# Altium PCB ZoM-Model-A.PcbDoc (part 2 of 3)
Units mm, origin at the board's own origin, x right, y up, seen from the top; angles counter-clockwise.
Board outline 75 x 40 mm, 6 copper layers (L 01, L 02 Gnd, L 03 1.8V 3.3V, L 04 1.0V SIG, L 05 Gnd, L 06), stack 1.207 mm thick; 145 components, 295 nets, 917 pads, 329 vias.
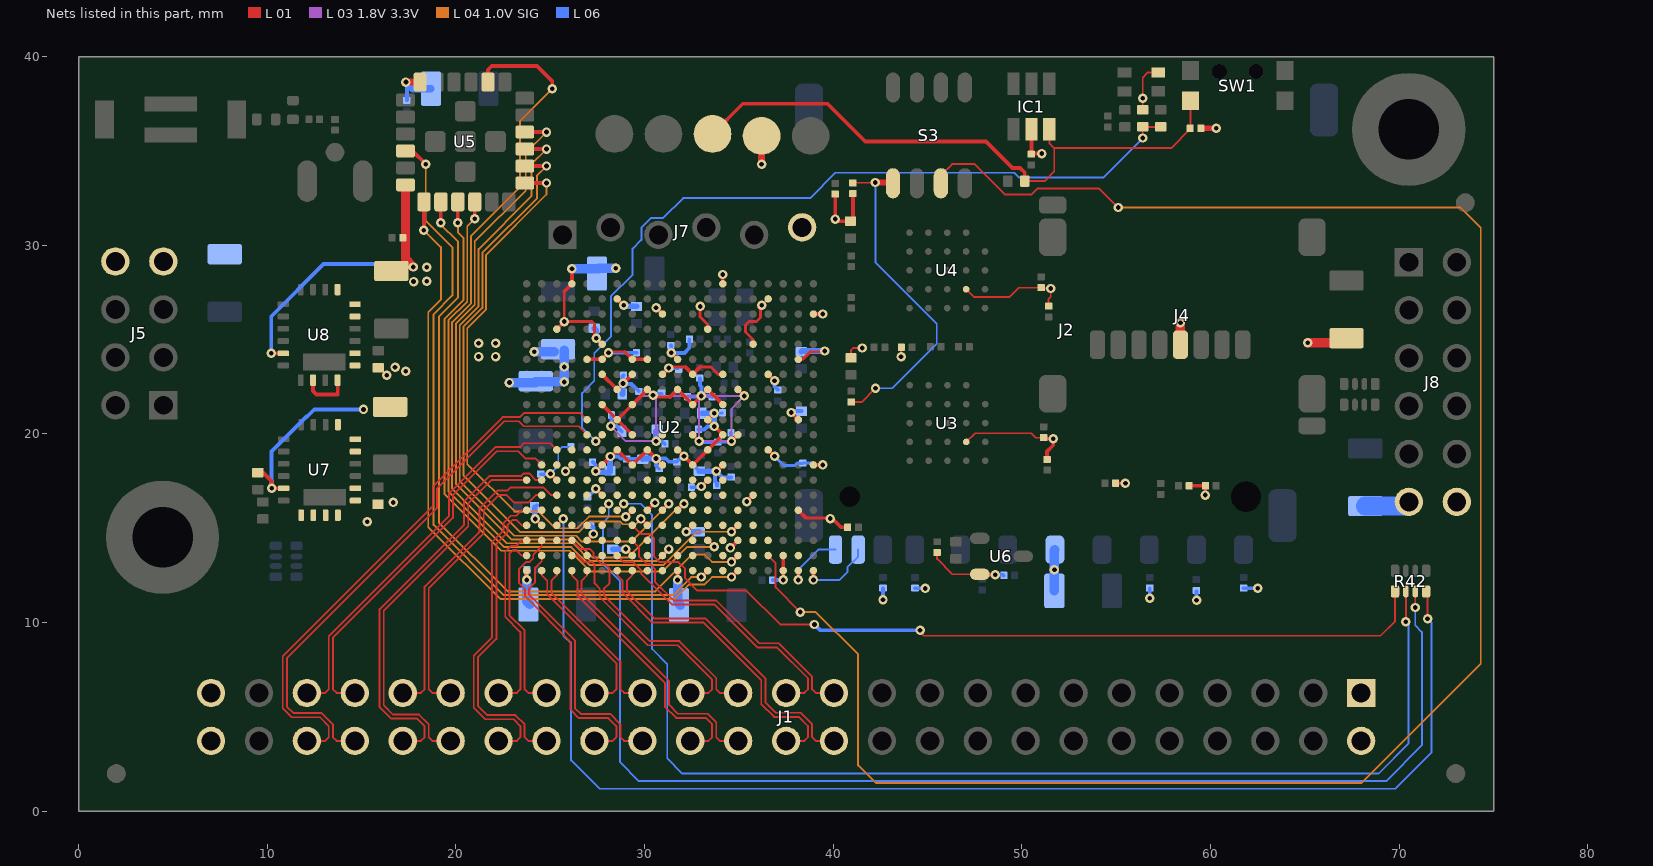
[diagram p6: the nets of this part, all layers, seen from the top]

## Part data
C1 C3 C4 C6 C7 C8 C12 C13 C14 C15 C18 C19 C20 C22 C23 C31 C32 C33 C34 C35 C36 C37 C38 C39 C40 C41 C43 C44 C45 C46 C47 C48 C50 C62 C64 C65: library part 24921, "KON 470nF X5R 6.3V SMD"
C2 C5 C10 C11 C17 C24 C26 C49 C51 C52 C53 C54 C55 C56 C57 C58 C63: library part 24719, "KON 4.7µF 6.3V X5R SMD"
C9 C16 C21 C25 C27 C28 C29 C30 C42: library part 24557, "KON 47µF 6.3V  X5R SMD 20%"
C59 C60 C61: library part 23116, "KON 100µF 6,3V X5R SMD"
D1: library part 24212, "LED Rot SML-P11UTT86 SMD"
D3: library part 24211, "LED Grun SML-P11MTT86 SMD"
H1 H4: library part 22898
IC1: library part ATtiny10, "ATtiny10"
J1: library part 20131, "Stiftleiste Wanne 50polig"
J2: library part 24818, "MCC SD Socket"
J3: library part 25605, "Hirose Ultra Small Coaxial Connector"
J4: library part 24993, "microSD Card (Header Type) SCHD Series"
J5: library part 23904, "Stiftleiste gerade 2-reihig, 8pol."
J7: library part 22911
J8: library part 25215
L1 L4: library part 25393, "Ferritdurchfuhrung SMD 0201"
L2 L3: "Ferrite Inductor"
PM1 PM2 PM3 PM4 PM5 PM6: library part 22905, "FIDU-DOT - SMALL"
R1 R4 R8 R26 R27: library part 25021, "WID SMD 33R 1% 0,05W"
R2 R5 R6 R9 R10 R11 R12 R13 R16 R17 R18 R19 R20 R21 R22 R28 R29 R30 R39 R40: library part 24914, "WID SMD 10K 1% 0,05W"
R3 R7 R24 R25 R31: library part 22769, "WID SMD 470R 1% 0,063W"
R14 R15: library part 25021, "WID SMD 0"
R23 R37 R38: library part 25242, "WID SMD 4K7 1% 0,05W"
R32: library part 23846, "WID SMD 200K 1% 0,063W"
R33: library part 26224, "WID SMD 301K 1% 0,063W"
R34 R35 R42: library part 23422, "WID SMD Netz 4 fach 33R"
R36: library part 22761, "WID SMD 680R 1% 0,063W"
R41: library part 22738, "WID SMD 0R"
S3: library part 23417, "DIP Schalter 4 fach 1,27mm SMD"
SW1: library part KMS221G_LFS
TP1 TP2 TP3 TP4 TP5: library part TP-SMD-2mm, "Testpoint"
U1: library part 25023, "SiT8008AI-73-XXS-33.333333E MEMS Oszillator 33.333333MHz"
U2: library part 25981
U3 U4: library part 25017
U6: library part 26027
U7 U8: library part 25492

## Via types
v1: diameter 0.5, hole 0.25, L 01 to L 06, 329 vias

## Nets (pads, with @x,y where several pads share a name; then routed paths per layer and width w, separated by ;. In a path a pad name is that pad's centre, name@x,y a point inside that pad or via, vN(x,y) a via of type N, cw(c..) or ccw(c..) an arc to the next point about the centre after c; other vN are vias at no path point)
1.8V: C16.1 C17.1 C18.1 C19.1 C23.1 C28.1 C32.2 C33.2 C44.1 C46.1 C48.1 C50.1 C52.1 C54.1 C56.1 C58.1 C60.2 C64.1 L4.2 U2.A3 U2.C19 U2.C20 U2.D2 U2.E5 U2.F8 U2.F11 U2.F18 U2.G1 U2.G9 U2.H4 U2.H8 U2.H14 U2.J9 U2.J11 U2.J17 U2.K8 U2.K20 U2.L3 U2.L11 U2.M8 U2.M16 U2.N9 U2.N11 U2.P2 U2.P10 U2.R5 U2.R9 U2.U1 U2.V4 U5.18 U8.5 U8.6 U8.7 U8.15 | length 79.2
  L 01 w0.1: v1@25.687,25.895 v1@25.697,25.905 ; v1(30.607,19.615) U2.L11@30.947,19.955 ; v1(36.207,26.815) U2.D2@36.547,27.155
  L 01 w0.15: 25.737,27.545 v1(25.737,25.955) 27.22,25.955 27.34,25.835 v1@27.34,25.162 ; v1@30.574,21.958 31.35,21.958 ; v1@32.944,26.727 32.944,26.208 33.347,25.804 U2.H4@33.347,25.555 ; U2.E5@35.747,24.755 35.747,24.999 35.348,25.398 35.348,25.777 35.527,25.955 35.928,25.955 36.143,26.17 36.143,26.659 v1@36.097,26.705
  L 01 w0.2: v1@10.199,24.289 v1(10.21,24.278) 10.214,24.275 U8.15@10.85,24.275 ; U2.V4@25.347,25.555 v1@25.687,25.895 ; 25.737,27.545 U2.U1@26.147,27.955 v1(26.147,28.758) ; v1@27.34,25.162 v1(27.43,25.072) U2.R5@27.747,24.755 ; U2.R9@27.747,21.555 U2.P10@28.547,20.755 ; v1(28.207,20.415) U2.P10@28.547,20.755 ; U2.P2@28.547,27.155 v1(28.887,26.815) ; U2.N11@29.347,19.955 U2.P10@28.547,20.755 ; U2.M16@30.147,15.955 v1(30.547,16.355) ; v1@30.487,22.015 v1(30.447,22.055) U2.M8@30.147,22.355 U2.P10@28.547,20.755 ; v1(30.607,26.695) U2.L3@30.947,26.355 ; 31.35,21.958 U2.K8@31.747,22.355 U2.J9@32.547,21.555 v1(33.007,22.015) U2.H8@33.347,22.355 U2.G9@34.147,21.555 ; v1(31.747,12.26) U2.K20@31.747,12.755 ; v1(32.207,14.815) U2.J17@32.547,15.155 ; U2.J11@32.547,19.955 v1(32.887,19.615) ; v1(33.007,17.215) U2.H14@33.347,17.555 ; U2.G1@34.147,27.955 v1(34.147,28.45) ; v1(34.548,13.956) U2.F18@34.947,14.355 ; v1(34.607,19.615) U2.F11@34.947,19.955 ; U2.F8@34.947,22.355 v1(35.287,22.015) ; v1@36.097,26.705 v1(36.207,26.815) ; v1(37.347,12.26) U2.C20@37.347,12.755 U2.C19@37.347,13.555 ; U2.A3@38.947,26.355 v1(39.442,26.355)
  L 01 w0.5: U5.18@17.325,33.2 17.325,29.265 v1(17.742,28.848)
  L 03 1.8V 3.3V w0.1: v1@30.487,22.015 29.807,22.015 v1(28.207,20.415) 29.007,19.615 v1(30.607,19.615) 30.607,21.895 v1@30.487,22.015 ; v1@30.487,22.015 v1(33.007,22.015) ; v1(33.007,22.015) 32.887,21.895 v1(32.887,19.615) v1(34.607,19.615) 34.607,21.335 v1(35.287,22.015) v1(33.007,22.015)
  L 06 w0.1: C58.1@30.607,20.112 C58.1@30.764,20.269 ; v1@32.973,21.981 v1(33.007,22.015) ; v1@34.579,19.587 v1(34.607,19.615)
  L 06 w0.2: v1(10.21,24.278) 10.21,26.232 12.979,29 17.59,29 v1(17.742,28.848) ; C46.1@28.227,21.002 28.227,20.435 v1(28.207,20.415) 28.509,20.415 C52.1@28.79,20.134 ; v1(30.447,22.055) 30.52,22.128 C50.1@30.895,22.128 ; v1(30.607,19.615) 30.926,19.615 C23.1@31.07,19.471 ; v1(32.207,14.815) v1@32.209,14.817 ; C44.1@32.287,21.981 v1@32.973,21.981 ; C18.1@32.486,17.175 32.967,17.175 v1(33.007,17.215) ; v1(32.887,19.615) 32.925,19.578 C48.1@33.883,19.578 ; L4.2@32.93,22.945 32.93,22.575 33.014,22.491 33.014,22.022 v1(33.007,22.015) 33.523,22.015 C33.2@33.58,21.959 ; C48.1@33.934,19.587 v1@34.579,19.587 ; C32.2@34.571,20.056 34.571,19.651 v1(34.607,19.615) ; C19.1@36.795,12.26 v1(37.347,12.26)
  L 06 w0.3: C56.1@27.331,25.599 27.43,25.5 v1(27.43,25.072) ; v1(28.887,26.815) 28.938,26.765 C54.1@29.567,26.765 ; v1(30.607,19.615) 30.607,20.112 30.607,20.149 C58.1@30.784,20.326 ; v1@32.209,14.817 C17.1@32.892,14.817
  L 06 w0.5: v1(26.147,28.758) 27.529,28.758 C60.2@27.547,28.776 ; C60.2@27.553,28.782 C60.2@27.547,28.776 ; v1(28.475,28.776) C60.2@27.547,28.776 ; v1(31.747,12.26) 31.747,11.074 C16.1@31.891,10.93
  other v1: 32.944,26.757 17.756,28.074 18.451,28.089 18.459,28.834
1V: C27.1 C34.1 C35.1 C36.1 C37.1 C38.1 C39.1 C40.1 C41.1 C43.1 C45.1 C47.1 C49.1 C51.1 C53.1 C55.1 C57.1 C59.1 C61.1 R32.1 U2.G7 U2.G11 U2.G13 U2.H10 U2.H12 U2.J7 U2.J13 U2.K12 U2.L7 U2.L13 U2.M12 U2.N7 U2.N13 U2.P8 U2.P12 U2.R7 U2.R13 U7.5 U7.6 U7.7 U7.15 | length 48.2
  L 01 w0.1: v1(31.287,23.495) v1@31.334,23.542
  L 01 w0.15: v1@31.334,23.552 32.16,23.552 ; 32.94,23.548 33.512,23.548 33.904,23.155 U2.G7@34.147,23.155
  L 01 w0.2: R32.1@9.5,17.95 9.78,17.95 10.23,17.5 v1(10.23,17.122) 10.234,17.119 U7.15@10.87,17.119 ; v1(27.407,18.015) U2.R13@27.747,18.355 U2.P12@28.547,19.155 U2.N13@29.347,18.355 U2.M12@30.147,19.155 v1(30.607,18.695) U2.L13@30.947,18.355 ; U2.R7@27.747,23.155 U2.P8@28.547,22.355 U2.N7@29.347,23.155 ; U2.L7@30.947,23.155 v1(31.287,23.495) ; U2.K12@31.747,19.155 v1(32.087,18.815) U2.J13@32.547,18.355 U2.G11@34.147,19.955 U2.H10@33.347,20.755 v1(33.687,21.095) ; 32.16,23.542 U2.J7@32.547,23.155 32.94,23.548 ; v1(33.807,18.015) U2.G13@34.147,18.355
  L 06 w0.1: v1@27.407,17.977 v1(27.407,18.015) v1@27.459,18.067 ; C45.1@31.744,23.495 C45.1@31.804,23.435 ; v1@33.685,21.022 33.685,21.095 v1@33.685,21.097 ; v1@33.711,17.919 v1(33.807,18.015)
  L 06 w0.15: v1@33.685,21.097 34.085,21.097 C37.1@34.114,21.126
  L 06 w0.2: v1(10.23,17.122) 10.23,19.075 12.073,20.918 12.091,20.9 12.491,21.3 v1(15.1,21.3) ; C47.1@27.257,18.508 27.407,18.359 v1(27.407,18.015) ; v1(28.187,18.805) 28.592,18.805 28.717,18.68 29.889,18.68 C53.1@29.898,18.671 ; C36.1@28.882,23.111 28.832,23.061 28.832,22.65 29.309,22.65 C38.1@29.691,22.269 ; C43.1@30.768,18.159 30.608,18.319 v1(30.607,18.695) 31.12,18.695 31.289,18.525 31.703,18.525 31.993,18.815 v1(32.087,18.815) 32.105,18.815 C57.1@32.902,18.018 ; v1(31.287,23.495) C45.1@31.744,23.495 ; C39.1@32.858,20.24 33.169,20.24 33.326,20.397 v1(33.69,20.397) ; v1@33.711,17.919 33.735,17.896 33.735,17.492 33.834,17.393 C40.1@33.834,17.267 ; v1(33.807,18.015) 34.124,17.698 C34.1@34.583,17.698
  L 06 w0.3: v1@27.407,17.977 28.155,17.977 28.166,17.988 28.166,18.784 v1(28.187,18.805) ; C55.1@28.832,22.117 28.832,22.65 v1(28.857,22.675) ; C53.1@29.898,18.671 29.923,18.695 v1(30.607,18.695) ; C57.1@32.902,18.018 32.905,18.015 v1(33.807,18.015) ; C49.1@33.049,21.097 33.051,21.095 33.685,21.095 v1(33.687,21.095) 33.687,20.399 v1(33.69,20.397)
  L 06 w0.5: v1(22.836,22.721) C61.1@24.227,22.721 ; v1(24.152,24.355) C59.1@25.218,24.355 ; C61.1@24.2,22.754 v1(25.745,22.754) v1(25.746,23.55) C59.1@25.746,24.44
  other v1: 21.2,24.1 22.1,24.1 21.2,24.8 22.1,24.8
3.3V: C2.1 C3.1 C4.1 C5.1 C6.1 C7.1 C8.1 C9.1 C10.1 C11.1 C12.1 C13.1 C14.1 C15.1 C20.1 C21.1 C22.2 C24.1 C25.1 C26.1 C29.1 C30.1 C31.2 C42.1 C65.1 D1.A IC1.5 J1.1 J1.2 J1.49 J1.50 J2.4 J4.4 J5.7 J5.8 J7.6 J8.6 J8.12 L1.1 R2.2 R3.1 R5.2 R7.2 R16.1 R17.1 R18.1 R19.1 R20.1 R21.1 R22.1 R23.2 R28.1 R29.1 R30.1 R36.1 R37.2 R38.2 R39.1 R40.2 TP1.1 U2.A13 U2.B6 U2.B10 U2.B16 U2.D7 U2.D12 U2.E15 U2.K6 U2.M6 U2.N6 U2.N19 U2.R6 U2.R15 U2.T6 U2.T18 U2.U13 U2.V14 U2.W17 U2.Y20 U3.B4 U4.B4 U5.12 U6.2 U7.1 U7.2 U7.17 U7.18 U7.19 U7.20 U8.1 U8.2 U8.18 U8.20 | length 77.3
  L 01 w0.1: v1(25.807,18.015) U2.U13@26.147,18.355 ; R3.1@40.938,24.045 40.938,24.439 41.054,24.555 v1(41.53,24.555) ; v1@43.574,24.117 43.598,24.142 R5.2@43.598,24.592 ; R23.2@45.5,13.715 45.5,13.38 46.317,12.563 U6.2@47.766,12.563 U6.2@47.792,12.537 ; U4.B4@47.042,27.669 47.446,27.265 49.343,27.265 49.823,27.745 51.019,27.745 51.057,27.707 v1(51.526,27.707) 51.526,27.269 51.413,27.157 R19.1@51.413,26.779 ; U3.B4@47.052,19.577 47.513,20.038 50.499,20.038 50.738,19.8 C22.2@51.147,19.8 ; C20.1@50.49,34.838 50.503,34.851 C20.1@50.512,34.86 ; v1@51.613,19.8 v1(51.664,19.749) ; R36.1@56.405,37.194 56.405,38.884 56.68,39.159 D1.A@57.226,39.159
  L 01 w0.15: v1@28.147,24.355 28.947,24.355 ; U2.B6@38.147,23.955 38.381,23.955 38.779,24.353 39.507,24.353 v1(39.548,24.395) ; 38.55,15.552 v1@39.819,15.552
  L 01 w0.2: U8.18@12.425,22.85 12.425,22.279 12.61,22.095 13.729,22.095 13.741,22.107 13.741,22.834 U8.20@13.725,22.85 ; v1(23.747,12.26) U2.Y20@23.747,12.755 ; v1(24.207,15.495) U2.W17@24.547,15.155 ; v1(25.007,17.895) U2.V14@25.347,17.555 ; U2.T18@26.947,14.355 v1(27.287,14.695) ; U2.T6@26.947,23.955 U2.R6@27.747,23.955 v1(28.087,24.295) v1@28.147,24.355 ; v1(27.407,17.095) U2.R15@27.747,16.755 ; 28.947,24.355 U2.N6@29.347,23.955 U2.M6@30.147,23.955 ; v1(29.007,13.895) U2.N19@29.347,13.555 ; v1(31.407,24.295) U2.K6@31.747,23.955 ; v1(35.407,16.415) U2.E15@35.747,16.755 ; U2.D12@36.547,19.155 v1(36.887,18.815) ; U2.D7@36.547,23.155 v1(36.887,22.815) ; v1@37.807,21.095 U2.B10@38.147,20.755 ; U2.B16@38.147,15.955 38.55,15.552 ; U2.A13@38.947,18.355 v1(39.442,18.355) ; v1@39.891,15.564 40.405,15.049 C4.1@40.752,15.049 ; R39.1@40.1,32.715 v1(40.1,31.389) 40.219,31.27 40.902,31.27 R7.2@40.913,31.281 41.042,31.409 R2.2@41.042,32.725 ; U6.2@47.792,12.537 v1(48.588,12.537) ; C20.1@50.503,34.851 IC1.5@50.503,36.154 ; C20.1@50.512,34.86 v1(51.056,34.86) ; C22.2@51.147,19.8 51.198,19.749 v1(51.664,19.749) 51.664,19.397 51.332,19.065 R21.1@51.332,18.658 ; R20.1@54.977,17.39 55.512,17.39 v1@55.516,17.386 ; R18.1@58.876,17.248 59.71,17.248 R22.1@59.714,17.252 ; v1(59.714,16.76) R22.1@59.714,17.252 ; R22.1@59.716,17.254 R22.1@59.714,17.252
  L 01 w0.3: R40.2@59.485,36.2 v1(60.3,36.2)
  L 01 w0.381: v1(17.35,38.65) U5.12@18.1,38.65 ; v1(36.2,34.3) TP1.1@36.2,35.8
  L 01 w0.5: J4.4@58.403,24.731 v1(58.403,25.899) ; v1(65.144,24.828) 67.189,24.828 C42.1@67.191,24.826
  L 06 w0.1: v1(24.207,15.495) v1@24.207,15.678 ; v1@25.002,17.89 v1(25.007,17.895) 25.422,18.31 25.422,19.096 25.635,19.309 R38.2@26.087,19.309 ; v1(25.807,18.015) v1@25.858,17.964 ; v1@28.045,24.338 v1(28.087,24.295) ; v1(29.007,13.895) v1@29.071,13.895
  L 06 w0.15: v1(36.887,18.815) 37.372,18.33 37.959,18.33 38.061,18.433 38.359,18.433 38.393,18.467 38.835,18.467 38.947,18.355 v1(39.442,18.355)
  L 06 w0.2: v1(17.35,38.65) 17.4,38.6 C65.1@17.4,37.685 ; v1(23.747,12.26) 23.747,12.793 C12.1@23.749,12.794 ; C11.1@24.175,16.099 C11.1@24.295,16.219 ; C15.1@24.492,17.867 24.978,17.867 v1@25.002,17.89 ; C14.1@26.973,16.654 27.407,17.088 v1(27.407,17.095) ; C13.1@27.174,15.15 27.287,15.036 v1(27.287,14.695) ; v1(28.087,24.295) 28.095,24.303 R37.2@29.564,24.303 ; C31.2@31.389,24.7 31.407,24.681 v1(31.407,24.295) 32.11,24.295 32.363,24.549 L1.1@32.363,25.022 ; v1(36.887,22.815) 36.887,22.518 C6.1@37.069,22.336 ; v1@37.757,21.135 37.835,21.213 C2.1@38.316,21.213 ; R29.1@42.635,11.819 42.635,11.252 v1@42.652,11.235 ; R28.1@44.333,11.819 44.894,11.819 v1@44.897,11.822 ; v1(48.588,12.537) 48.994,12.537 C8.1@49.031,12.5 ; v1(56.775,11.296) R17.1@56.775,11.819 ; R16.1@59.247,11.653 59.247,11.198 v1(59.255,11.189) ; R30.1@61.749,11.819 v1(62.5,11.819)
  L 06 w0.3: C11.1@24.175,16.099 24.175,15.528 v1(24.207,15.495) ; C10.1@28.306,13.887 28.315,13.895 v1(29.007,13.895) ; C5.1@38.308,24.362 38.341,24.395 v1(39.548,24.395)
  L 06 w0.381: v1@17.4,38.6 17.7,38.3 C25.1@18.675,38.3 ; J8.6@70.285,16.175 J8.6@70.51,16.4
  L 06 w0.5: J5.8@1.95,29.14 J5.8@1.953,29.136 ; v1(23.747,12.26) 23.747,11.128 C9.1@23.914,10.962 ; C21.1@51.717,11.682 51.717,13.839 J2.4@51.746,13.868
  L 06 w1: C30.1@68.2,16.175 J8.6@70.285,16.175
  other v1: 42.638,11.217 44.879,11.811 51.722,12.794 15.297,15.34 39.839,15.512 16.675,16.369 55.487,17.386 37.767,21.135 16.33,23.113 17.339,23.318 16.775,23.527 43.594,24.097 56.401,37.794
B34_L0: U2.R19
B34_L1_N: J1.46 U2.T10 | length 29.6
  L 01 w0.1: J1.46@12.1,3.73 13.067,3.73 13.26,3.923 13.26,4.516 12.795,4.982 11.3,4.982 10.821,5.46 10.821,8.206 18.773,16.157 18.773,17.192 22.472,20.891 23.383,20.891 23.546,21.054 23.551,21.054 23.602,21.105 26.597,21.105 U2.T10@26.947,20.755
B34_L1_P: J1.44 U2.T11 | length 29.3
  L 01 w0.1: J1.44@14.64,3.73 13.674,3.73 13.48,3.923 13.48,4.607 12.886,5.202 11.391,5.202 11.041,5.551 11.041,8.115 18.993,16.066 18.993,17.101 22.563,20.671 23.337,20.671 23.602,20.405 26.497,20.405 U2.T11@26.947,19.955
B34_L2_N: U2.U12
B34_L2_P: U2.T12
B34_L3_N: U2.V13
B34_L4_N: J1.43 U2.W13 | length 20.1
  L 01 w0.1: J1.43@14.64,6.27 13.674,6.27 13.48,6.463 13.48,9.19 19.842,15.552 19.842,16.748 22.175,19.08 23.305,19.08 23.68,18.705 24.197,18.705 U2.W13@24.547,18.355
B34_L4_P: J1.45 U2.V12 | length 21.2
  L 01 w0.1: J1.45@12.1,6.27 13.067,6.27 13.26,6.463 13.26,9.281 19.622,15.643 19.622,16.839 22.083,19.3 23.397,19.3 23.602,19.505 24.997,19.505 U2.V12@25.347,19.155
B34_L5_N: U2.T15
B34_L5_P: U2.T14
B34_L6_N: U2.R14
B34_L6_P: U2.P14
B34_L7_N: J1.36 U2.Y17 | length 16.3
  L 01 w0.1: U2.Y17@23.747,15.155 23.496,15.155 23.206,15.445 23.008,15.445 22.738,15.175 22.738,14.789 22.14,14.191 22.14,9.138 21.166,8.164 21.166,5.585 21.654,5.097 23.15,5.097 23.64,4.607 23.64,3.923 23.834,3.73 J1.36@24.8,3.73
B34_L7_P: J1.38 U2.Y16 | length 16.7
  L 01 w0.1: J1.38@22.26,3.73 23.227,3.73 23.42,3.923 23.42,4.516 23.059,4.877 21.563,4.877 20.946,5.494 20.946,8.255 21.92,9.229 21.92,14.282 22.518,14.88 22.518,15.266 22.916,15.665 23.206,15.665 23.496,15.955 U2.Y16@23.747,15.955
B34_L8_N: J1.40 U2.Y14 | length 20.9
  L 01 w0.1: J1.40@19.72,3.73 18.754,3.73 18.56,3.923 18.56,4.607 18.04,5.128 16.657,5.128 16.172,5.613 16.172,10.626 20.651,15.105 20.651,16.331 21.875,17.555 U2.Y14@23.747,17.555
B34_L8_P: J1.42 U2.W14 | length 22.3
  L 01 w0.1: J1.42@17.18,3.73 18.147,3.73 18.34,3.923 18.34,4.516 17.948,4.908 16.566,4.908 15.952,5.522 15.952,10.717 20.431,15.196 20.431,16.422 21.784,17.775 23.472,17.775 23.602,17.905 23.892,17.905 24.242,17.555 U2.W14@24.547,17.555
B34_L9_N: U2.U17
B34_L9_P: U2.T16
B34_L10_N: J1.39 U2.W15 | length 15.7
  L 01 w0.1: J1.39@19.72,6.27 18.754,6.27 18.56,6.463 18.56,11.818 21.477,14.735 21.477,15.96 22.29,16.773 22.669,16.773 23.087,16.355 23.842,16.355 24.242,16.755 U2.W15@24.547,16.755
B34_L10_P: J1.41 U2.V15 | length 16.7
  L 01 w0.1: J1.41@17.18,6.27 18.147,6.27 18.34,6.463 18.34,11.91 21.257,14.826 21.257,16.051 22.198,16.993 22.718,16.993 22.88,17.155 24.642,17.155 25.042,16.755 U2.V15@25.347,16.755
B34_L11_N: U2.U15
B34_L11_P: U2.U14
B34_L12_N: J1.29 U2.U19 | length 12.8
  L 01 w0.1: U2.U19@26.147,13.555 26.452,13.555 26.802,13.205 27.226,13.205 27.347,13.084 27.347,12.076 27.624,11.799 27.624,11.356 30.179,8.801 31.751,8.801 33.58,6.972 33.58,6.463 33.387,6.27 J1.29@32.42,6.27
B34_L12_P: J1.27 U2.U18 | length 13.9
  L 01 w0.1: U2.U18@26.147,14.355 26.597,13.905 27.092,13.905 27.297,13.7 27.297,13.51 27.702,13.105 27.892,13.105 28.147,12.85 28.147,12.095 27.844,11.791 27.844,11.447 30.27,9.021 31.842,9.021 33.8,7.063 33.8,6.463 33.994,6.27 J1.27@34.96,6.27
B34_L13_N: J1.25 U2.P19 | length 14.7
  L 01 w0.1: U2.P19@28.547,13.555 28.897,13.205 29.392,13.205 29.797,12.8 29.797,12.61 31.456,10.951 33.708,10.951 35.977,8.683 37.016,8.683 38.66,7.038 38.66,6.463 38.467,6.27 J1.25@37.5,6.27
B34_L13_P: J1.23 U2.N18 | length 15.1
  L 01 w0.1: U2.N18@29.347,14.355 29.697,14.005 29.697,13.51 30.102,13.105 30.292,13.105 30.545,12.852 30.545,12.174 31.547,11.171 33.8,11.171 36.069,8.903 37.107,8.903 38.88,7.129 38.88,6.463 39.074,6.27 J1.23@40.04,6.27
B34_L14_N: J1.26 U2.P20 | length 16.6
  L 01 w0.1: U2.P20@28.547,12.755 28.547,12.505 28.837,12.215 28.837,11.581 30.416,10.002 33.13,10.002 36.184,6.949 36.184,5.681 36.865,5 38.177,5 38.66,4.516 38.66,3.923 38.467,3.73 J1.26@37.5,3.73
B34_L14_P: J1.24 U2.N20 | length 16.6
  L 01 w0.1: U2.N20@29.347,12.755 29.347,12.505 29.057,12.215 29.057,11.672 30.507,10.222 33.222,10.222 36.404,7.04 36.404,5.772 36.956,5.22 38.268,5.22 38.88,4.607 38.88,3.923 39.074,3.73 J1.24@40.04,3.73
B34_L15_N: J1.30 U2.U20 | length 14.1
  L 01 w0.1: U2.U20@26.147,12.755 26.147,12.505 26.437,12.215 26.437,11.447 31.076,6.809 31.076,5.548 31.674,4.951 33.25,4.951 33.58,4.621 33.58,3.923 33.387,3.73 J1.30@32.42,3.73
B34_L15_P: J1.28 U2.T20 | length 14.1
  L 01 w0.1: U2.T20@26.947,12.755 26.947,12.505 26.657,12.215 26.657,11.539 31.296,6.9 31.296,5.639 31.765,5.171 33.341,5.171 33.8,4.712 33.8,3.923 33.994,3.73 J1.28@34.96,3.73
B34_L16_N: J1.33 U2.W20 | length 9.2
  L 01 w0.1: U2.W20@24.547,12.755 24.547,12.505 24.837,12.215 24.837,11.503 28.5,7.84 28.5,6.463 28.307,6.27 J1.33@27.34,6.27
B34_L16_P: J1.31 U2.V20 | length 9.2
  L 01 w0.1: U2.V20@25.347,12.755 25.347,12.505 25.057,12.215 25.057,11.594 28.72,7.931 28.72,6.463 28.914,6.27 J1.31@29.88,6.27
B34_L17_N: J1.35 U2.Y19 | length 9.8
  L 01 w0.1: 23.64,6.463 23.834,6.27 J1.35@24.8,6.27 ; 23.64,6.528 23.64,9.586 22.836,10.39 22.836,13.657 23.024,13.845 23.206,13.845 23.496,13.555 U2.Y19@23.747,13.555
B34_L17_P: J1.37 U2.Y18 | length 10.2
  L 01 w0.1: J1.37@22.26,6.27 23.227,6.27 23.42,6.463 23.42,9.494 22.616,10.299 22.616,13.748 22.933,14.065 23.206,14.065 23.496,14.355 U2.Y18@23.747,14.355
B34_L18_N: U2.W16
B34_L18_P: U2.V16
B34_L19_N: U2.R17
B34_L19_P: R42.3 U2.R16 | length 66.8
  L 01 w0.1: U2.R16@27.747,15.955 27.755,15.955 v1(28.1,16.3) ; v1(70.85,10.8) R42.3@70.85,11.65
  L 06 w0.1: v1(28.1,16.3) 28.1,15.6 27.8,15.3 27.8,13.1 28.7,12.2 28.7,2.6 29.7,1.6 69.3,1.6 71.2,3.5 71.2,9.5 70.85,9.85 v1(70.85,10.8) v1@70.85,10.9
B34_L20_N: U2.R18
B34_L20_P: U2.T17
B34_L21_N: U2.V18
B34_L21_P: R42.4 U2.V17 | length 69.1
  L 01 w0.1: U2.V17@25.347,15.155 v1(25.692,15.5) ; R42.4@71.425,11.65 71.5,11.575 v1(71.5,10.2)
  L 06 w0.1: v1(25.692,15.5) 25.692,9.308 26.1,8.9 26.1,2.7 27.61,1.19 69.79,1.19 71.7,3.1 71.7,10 v1(71.5,10.2)
B34_L22_N: J1.32 U2.W19 | length 14.1
  L 01 w0.1: U2.W19@24.547,13.555 24.547,13.25 24.197,12.9 24.197,12.145 23.882,11.83 23.882,11.479 26.302,9.059 26.302,5.469 26.613,5.158 28.17,5.158 28.72,4.607 28.72,3.923 28.914,3.73 J1.32@29.88,3.73
B34_L22_P: J1.34 U2.W18 | length 15.3
  L 01 w0.1: U2.W18@24.547,14.355 24.547,14.05 24.097,13.6 24.097,13.41 23.892,13.205 23.702,13.205 23.347,12.85 23.347,12.095 23.662,11.78 23.662,11.388 26.082,8.968 26.082,5.378 26.522,4.938 28.079,4.938 28.5,4.516 28.5,3.923 28.307,3.73 J1.34@27.34,3.73
B34_L23_N: U2.P18
B34_L23_P: R42.1 U2.N17 | length 45.7
  L 01 w0.1: U2.N17@29.347,15.155 29.798,14.704 30.292,14.704 30.496,14.5 30.496,13.513 30.803,13.206 31.79,13.206 32.146,12.85 32.146,12.354 32.8,11.7 35.4,11.7 37.2,9.9 v1(39,9.9) ; v1@44.6,9.5 44.795,9.305 69.005,9.305 69.775,10.075 R42.1@69.775,11.65
  L 01 w0.2: v1@44.6,9.5 v1(44.6,9.6)
  L 06 w0.2: v1(39,9.9) 39.3,9.6 v1(44.6,9.6)
B34_L24_N: R42.2 U2.P16 | length 63.9
  L 01 w0.1: U2.P16@28.547,15.955 28.892,16.3 v1(28.9,16.3) ; v1(70.35,10.05) R42.2@70.35,11.65
  L 06 w0.1: v1(28.9,16.3) 29.8,16.3 30.4,15.7 30.4,8.6 31.2,7.8 31.2,2.8 32,2 68.9,2 70.5,3.6 70.5,9.9 v1(70.35,10.05)
B34_L24_P: U2.P15
B34_L25: U2.T19
B35_IO0: U2.G14
B35_IO25: U2.J15
B35_L1_N: J2.11 U2.B20 | length 3.5
  L 01 w0.2: v1(38.147,12.26) U2.B20@38.147,12.755
  L 06 w0.1: v1(38.147,12.26) 38.147,12.81 39.205,13.868 J2.11@40.121,13.868
B35_L2_N: J2.10 U2.A20 | length 3.9
  L 01 w0.2: v1(38.947,12.26) U2.A20@38.947,12.755
  L 06 w0.1: v1(38.947,12.26) 40.337,12.26 40.75,12.673 40.75,12.926 41.321,13.497 J2.10@41.321,13.868
B35_L2_P: U2.B19
B35_L3_N: U2.D18
B35_L3_P: U2.E17
B35_L4_P: S3.7 U2.D19 | length 103.6
  L 01 w0.1: U2.D19@36.547,13.555 36.948,13.154 36.948,11.861 v1(38.25,10.56) ; S3.7@45.706,33.284 45.706,33.706 46.3,34.3 47.5,34.3 49.1,32.7 50.521,32.7 50.821,33 54.1,33 v1(55.1,32)
  L 04 1.0V SIG w0.1: v1(38.25,10.56) 39.068,10.56 41.316,8.312 41.316,2.434 42.25,1.5 68,1.5 74.32,7.82 74.32,30.93 73.25,32 v1(55.1,32)
B35_L5_N: U2.E19
B35_L5_P: U2.E18
B35_L6_N: U2.F17 U5.22 | length 33.8
  L 01 w0.2: v1(21,31.4) U5.22@21,32.3 ; v1(34.607,14.815) U2.F17@34.947,15.155
  L 04 1.0V SIG w0.1: v1(21,31.4) 20.6,31 20.6,27.014 19.6,26.014 19.6,16.961 22.557,14.004 26.124,14.004 27.072,13.056 31.013,13.056 32.773,14.815 v1(34.607,14.815)
B35_L6_P: U2.F16
B35_L7_N: U2.M20
B35_L7_P: U2.M19
B35_L8_N: U2.M18
B35_L8_P: U2.M17 U5.2 | length 30.9
  L 01 w0.2: U5.2@23.65,34.2 v1(24.8,34.2) ; v1(29.807,15.495) U2.M17@30.147,15.155
  L 04 1.0V SIG w0.1: v1(24.8,34.2) 24.3,33.7 24.3,32.5 21.4,29.6 21.4,26.683 20.4,25.683 20.4,17.8 23.4,14.8 26.521,14.8 27.085,15.364 28.692,15.364 28.841,15.215 29.527,15.215 v1(29.807,15.495)
B35_L9_N: U2.L20
B35_L9_P: U2.L19 U5.8 | length 42.1
  L 01 w0.2: U5.8@21.7,38.65 21.7,39.3 21.9,39.5 24.3,39.5 25.1,38.7 v1(25.1,38.3) ; U2.L19@30.947,13.555 v1(31.287,13.895)
  L 04 1.0V SIG w0.1: v1(25.1,38.3) 23.4,36.6 23.4,33.1 20.8,30.5 20.8,26.931 19.8,25.931 19.8,17.1 22.697,14.203 26.208,14.203 27.155,13.256 30.648,13.256 v1(31.287,13.895)
B35_L10_N: U2.J19
B35_L10_P: U2.K19
B35_L11_N: U2.L17
B35_L11_P: U2.L16 U5.3 | length 34.4
  L 01 w0.2: U5.3@23.65,35.1 v1(24.8,35.1) ; U2.L16@30.947,15.955 v1(31.287,16.295)
  L 04 1.0V SIG w0.1: v1(24.8,35.1) 24,34.3 24,32.6 21.2,29.8 21.2,26.766 20.2,25.766 20.2,17.5 23.099,14.601 26.375,14.601 26.681,14.295 29.287,14.295 v1(31.287,16.295)
B35_L12_N: U2.K18
B35_L12_P: U2.K17
B35_L13_N: U2.H17
B35_L13_P: U2.H16
B35_L14_N: U2.H18 U5.21 | length 33
  L 01 w0.2: v1(20.1,31.2) U5.21@20.1,32.3 ; U2.H18@33.347,14.355 v1(33.687,14.015)
  L 04 1.0V SIG w0.1: v1(20.1,31.2) 20.1,30.7 20.4,30.4 20.4,27.097 19.4,26.097 19.4,16.8 22.395,13.805 26.04,13.805 27.145,12.7 30.941,12.7 32.256,14.015 v1(33.687,14.015)
B35_L14_P: U2.J18
B35_L15_N: U2.F20 U5.19 | length 36.5
  L 01 w0.2: v1(18.3,30.8) U5.19@18.3,32.3 ; v1(34.607,12.415) U2.F20@34.947,12.755
  L 04 1.0V SIG w0.1: v1(18.3,30.8) 19.2,29.9 19.2,27.121 18.534,26.456 18.534,15.066 22.346,11.254 31.59,11.254 32.35,12.015 33.173,12.015 33.573,12.415 v1(34.607,12.415)
B35_L15_P: U2.F19 U5.20 | length 36.2
  L 01 w0.2: v1(19.2,31.2) U5.20@19.2,32.3 ; v1(34.607,13.215) U2.F19@34.947,13.555
  L 04 1.0V SIG w0.1: v1@19.15,31.15 20.1,30.2 20.1,27.221 19.1,26.221 19.1,15.3 22.746,11.654 30.575,11.654 32.536,13.615 33.173,13.615 33.573,13.215 v1(34.607,13.215)
B35_L16_N: U2.G18
B35_L16_P: U2.G17
B35_L17_N: U2.H20 U5.16 | length 38.1
  L 01 w0.2: U5.16@17.325,35 17.7,35 v1(18.4,34.3) ; v1(33.007,12.415) U2.H20@33.347,12.755
  L 04 1.0V SIG w0.1: v1(18.4,34.3) 18.4,31.3 19.817,29.883 19.817,27.338 18.817,26.338 18.817,15.183 22.546,11.454 31.507,11.454 32.468,12.415 v1(33.007,12.415)
B35_L17_P: U2.J20
B35_L18_N: U2.G20
B35_L18_P: U2.G19
B35_L19_N: U2.G15
B35_L19_P: U2.H15
B35_L20_N: U2.J14
B35_L20_P: U2.K14
B35_L21_N: U2.N16 U5.1 | length 28.3
  L 01 w0.2: U5.1@23.65,33.3 v1(24.8,33.3) ; v1(29.007,15.615) U2.N16@29.347,15.955
  L 04 1.0V SIG w0.1: v1(24.8,33.3) 24.8,32.7 21.6,29.5 21.6,26.6 20.6,25.6 20.6,18.4 23.105,15.895 24.373,15.895 25.268,15 26.438,15 27.053,15.615 v1(29.007,15.615)
B35_L21_P: U2.N15
B35_L22_N: U2.L15
B35_L22_P: U2.L14
B35_L23_N: U2.M15
B35_L23_P: U2.M14
B35_L24_N: U2.J16
B35_L24_P: U2.K16 U5.4 | length 37.2
  L 01 w0.2: U5.4@23.65,36 v1(24.8,36) ; U2.K16@31.747,15.955 v1(32.087,16.295)
  L 04 1.0V SIG w0.1: v1(24.8,36) 23.7,34.9 23.7,32.9 21,30.2 21,26.849 20,25.849 20,17.361 22.959,14.402 26.291,14.402 27.238,13.456 29.133,13.456 31.89,16.212 31.89,16.295 v1(32.087,16.295)
BOOT_R: R2.1 R6.2 S3.5 | length 17.9
  L 01 w0.1: R6.2@40.935,21.684 41.501,21.684 v1(42.237,22.421) ; R2.1@41.042,33.315 42.198,33.315 v1@42.229,33.284
  L 01 w0.3: v1@42.229,33.324 S3.5@43.166,33.324
  L 06 w0.1: v1(42.229,33.325) 42.229,29.095 45.484,25.84 45.484,24.773 43.132,22.421 v1(42.237,22.421)
BTN: IC1.6 R25.1 R40.1 SW1.2 TP3.1 | length 32.4
  L 01 w0.1: R25.1@50.15,33.4 51.2,33.4 51.714,33.914 51.714,35.15 ; IC1.6@51.453,36.154 51.453,35.412 51.714,35.15 ; SW1.2@58.932,37.657 58.932,36.178 57.904,35.15 51.714,35.15
  L 01 w0.2: TP3.1@33.6,35.9 35.2,37.5 39.7,37.5 41.7,35.5 48.1,35.5 49.5,34.1 49.9,34.1 50.15,33.85 R25.1@50.15,33.4
DONE: R31.2 R36.2 U2.R11 | length 43.7
  L 01 w0.1: v1(27.407,19.615) U2.R11@27.747,19.955 ; v1@56.417,35.678 56.405,35.69 56.405,36.274 R31.2@57.358,36.274
  L 06 w0.1: v1(27.407,19.615) 26.687,20.335 26.687,22.165 27.332,22.81 27.332,24.271 28.217,25.156 28.217,27.298 29.363,28.444 29.363,29.821 29.831,30.289 29.831,30.922 30.358,31.449 30.991,31.449 32.042,32.5 38.772,32.5 40.116,33.843 49.605,33.843 49.86,33.588 54.309,33.588 v1(56.405,35.684)